# Allegro board GPS_INTERFACE_BOARDv36_PH.brd (continued)
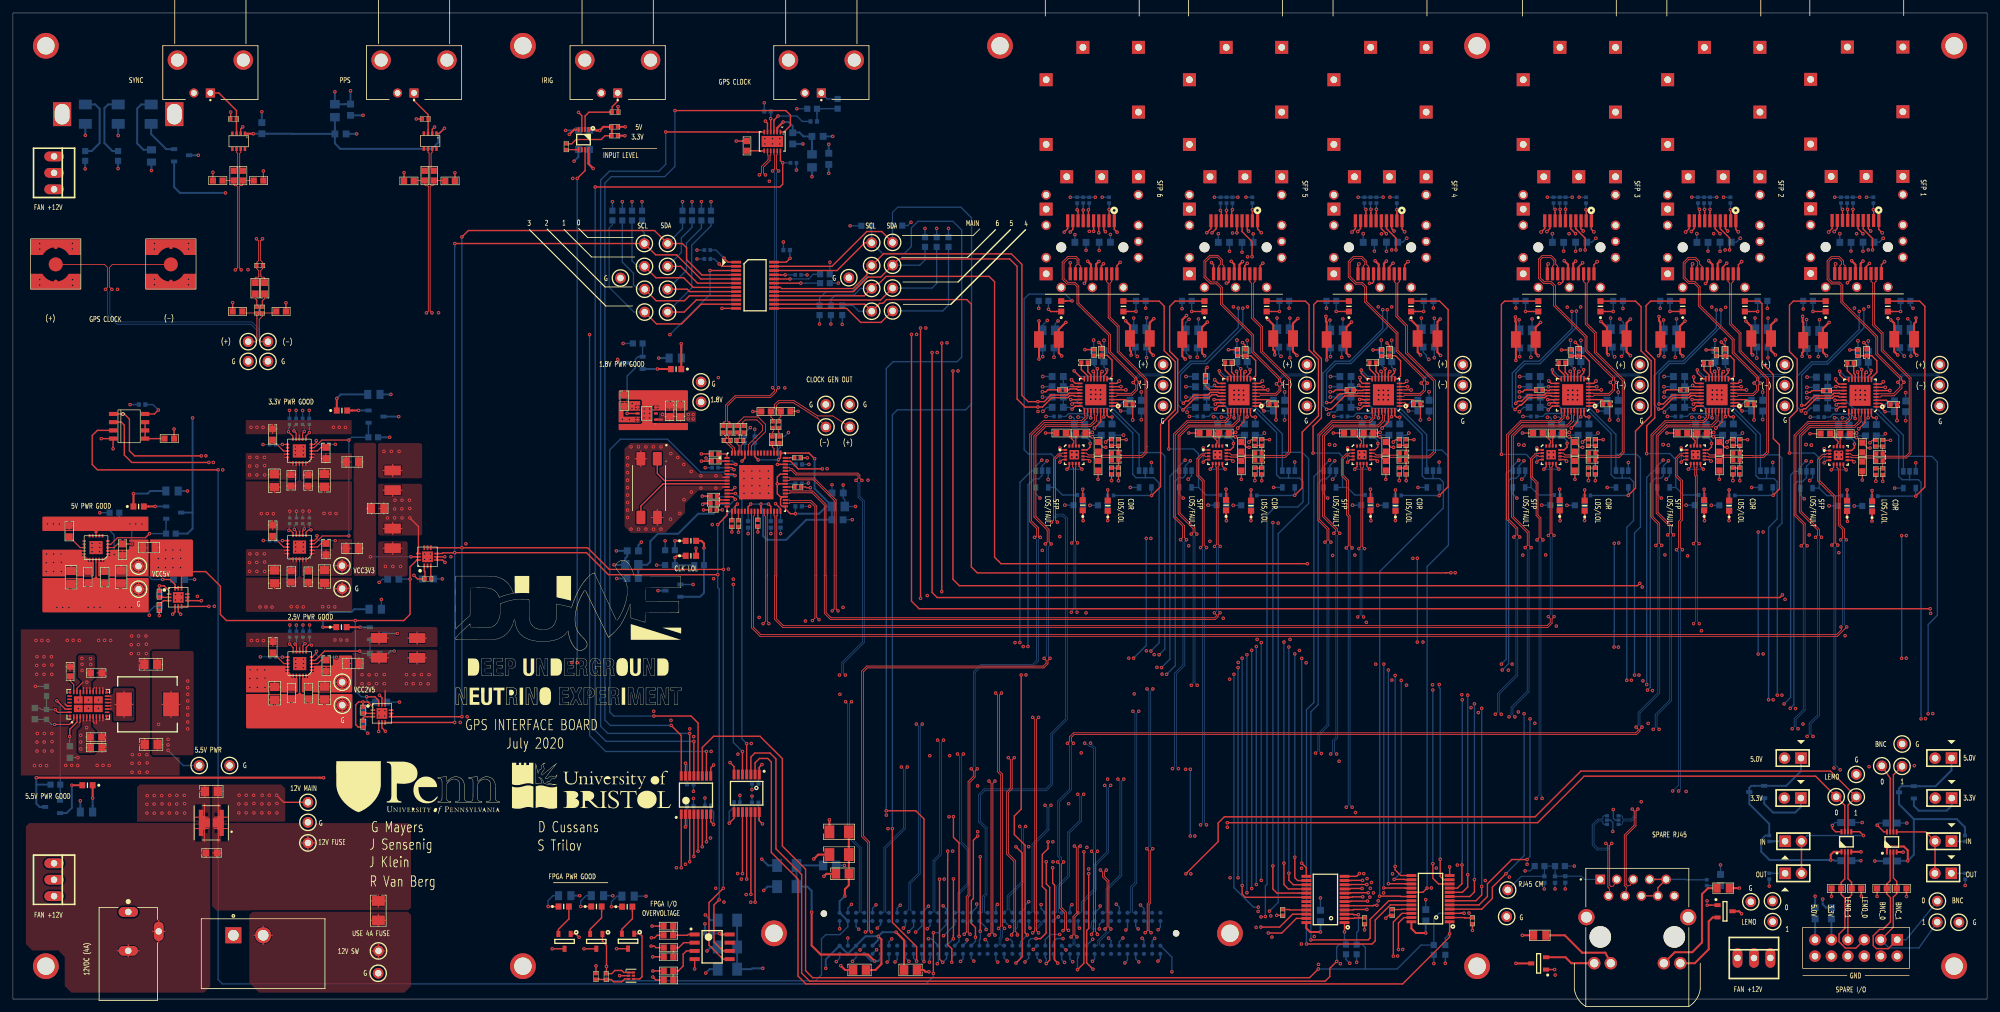
[diagram p0: board, top side]
## Routing (per net, layer and track width the routed paths; a pad name or vN(x,y) marks a point on that pad's centre or on a via; arc(x,y) is an arc through that point) (continued)
N224464: length 155.3
  TOP w0.203: U52.7 206.73,15.72 206.81,15.8 v1(208.41,15.8) ; J20.2 v1(191.37,121.99)
  SIG w0.203: v1(208.41,15.8) 207.54,14.94 190.68,14.94 189.15,16.46 v1(189.15,18.75) ; v1(177.34,51.23) v1(189.15,51.23) ; v1(191.37,121.99) 190.83,122.53 184.66,122.53 183.11,120.98 183.11,118.72 179.4,115.01 179.4,87.71 180.98,86.13 v1(180.98,83.28)
  BOTTOM w0.203: v1(180.98,83.28) 180.07,82.38 U40.1 179.48,81.66 178.64,80.82 178.64,52.53 v1(177.34,51.23) ; R208.2 191.36,122.52 191.37,122.51 v1(191.37,121.99) ; v1(189.15,18.75) v1(189.15,51.23)
N224468: length 150
  TOP w0.203: v1(186.44,121.89) 186.57,121.76 J20.8 ; U52.6 206.49,15.07 206.57,15.14 206.57,15.14 v1(209.14,15.14)
  SIG w0.203: v1(186.44,121.89) 184.96,121.89 183.72,120.65 183.72,118.41 179.93,114.63 179.93,88.11 181.79,86.26 v1(181.79,83.19) ; v1(209.14,15.14) 208.2,14.2 v1(192.28,14.2) ; v1(178.13,50.19) v1(188.52,50.19)
  BOTTOM w0.203: v1(181.79,83.19) 181.03,82.42 U40.2 181.03,80.92 180.67,80.57 179.96,80.57 179.46,80.07 179.46,51.52 v1(178.13,50.19) ; v1(192.28,14.2) 191.54,14.2 188.52,17.22 v1(188.52,50.19) ; R209.2 186.46,122.52 186.44,122.49 v1(186.44,121.89)
N224484: length 132.2
  TOP w0.203: v1(163.84,97.09) 165.08,95.85 U43.16 ; U52.8 206.51,16.37 206.58,16.43 v1(209.25,16.43)
  SIG w0.203: v1(190.53,16.43) v1(209.25,16.43) ; v1(176.96,53.21) v1(190.53,53.21)
  BOTTOM w0.203: v1(190.53,53.21) v1(190.53,16.43) ; 173.88,84.48 173.88,87.21 169.7,91.39 169.7,95.43 168.91,96.22 164.71,96.22 v1(163.84,97.09) ; 173.88,84.48 173.9,84.45 177.32,84.45 177.85,83.92 177.85,54.1 v1(176.96,53.21) ; 173.88,84.48 U45.1
N224488: length 124
  TOP w0.203: U52.9 206.49,17.02 206.57,17.09 v1(208.31,17.09) ; U43.22 v1(163.32,92.65)
  SIG w0.203: v1(191.26,53.9) 176.31,53.9 176.19,53.77 v1(175.69,53.77) ; v1(191.26,17.09) v1(208.31,17.09)
  BOTTOM w0.203: v1(191.26,53.9) v1(191.26,17.09) ; v1(175.69,53.77) 176.96,55.04 176.96,79.76 176.15,80.57 174.83,80.57 ; 174.83,80.57 173.41,80.57 172.9,81.08 172.9,87.5 169.14,91.26 165.4,91.26 164.02,92.65 v1(163.32,92.65) ; 174.83,80.57 U45.2
N224492: length 175.7
  TOP w0.203: v1(208.38,18.34) 206.62,18.34 206.6,18.32 U52.11 ; J21.2 v1(169.25,122.03)
  SIG w0.203: v1(192.74,18.34) v1(208.38,18.34) ; v1(155.47,55.09) 191.88,55.09 191.89,55.08 192.23,55.08 192.24,55.09 v1(192.74,55.09) ; v1(158.85,83.28) 158.85,85.7 156.29,88.27 156.29,114.22 160.96,118.9 160.96,121.69 162.1,122.83 168.45,122.83 v1(169.25,122.03)
  BOTTOM w0.203: v1(192.74,55.09) v1(192.74,18.34) ; v1(155.47,55.09) 155.47,79.86 157.28,81.66 U44.1 157.95,82.38 v1(158.85,83.28) ; R229.2 169.25,123.01 v1(169.25,122.03)
N224496: length 169.9
  TOP w0.203: v1(164.31,121.97) 164.45,121.83 J21.8 ; U52.10 206.57,17.67 206.61,17.7 v1(209.04,17.7)
  SIG w0.203: v1(159.66,83.19) 159.66,85.7 156.95,88.42 156.95,113.89 161.59,118.54 161.59,121.39 162.18,121.97 v1(164.31,121.97) ; v1(156.72,54.48) v1(191.97,54.48) ; v1(191.97,17.7) v1(209.04,17.7)
  BOTTOM w0.203: v1(191.97,54.48) v1(191.97,17.7) ; v1(164.31,121.97) R230.2 ; v1(156.72,54.48) 156.72,79.48 157.63,80.39 158.37,80.39 158.9,80.92 U44.2 158.9,82.42 v1(159.66,83.19)
N245271: length 3.5
  TOP w0.305: D5.2 20.94,76.12 20.95,76.13 v1(21.96,76.13)
  BOTTOM w0.305: Q4.2 v1(21.96,76.13)
N245311: length 7.2
  TOP w0.305: D5.1 v1(18.61,78.12)
  BOTTOM w0.305: v1(18.61,78.12) 20.82,78.12 21.21,78.51 R51.1
N245859: length 7.3
  TOP w0.305: D4.2 v1(9.09,33.05)
  BOTTOM w0.305: v1(9.09,33.05) 9.09,29.57 8.27,28.74 Q3.2
N245899: length 4.1
  TOP w0.305: D4.1 v1(12.31,31.05)
  BOTTOM w0.305: v1(12.31,31.05) 12.31,29.89 12.3,29.88 R44.1
N246142: length 3.3
  TOP w0.305: D6.2 52.33,90.96 52.34,90.97 v1(53.35,90.97)
  BOTTOM w0.305: Q5.2 v1(53.35,90.97)
N246182: length 6.9
  TOP w0.305: D6.1 v1(50,92.82)
  BOTTOM w0.305: v1(50,92.82) 50.62,93.45 R57.1
N266416: length 152.2
  TOP w0.203: v1(220.37,21.59) 220.37,18.94 220.87,18.44 U53.11 ; v1(265.18,122) 265.21,121.96 J14.2
  SIG w0.203: v1(265.18,122) 264.46,122.71 257.78,122.71 256.9,121.82 256.9,119.05 252.91,115.06 252.91,87.58 v1(254.79,85.7) v1(254.79,83.28) ; v1(252.25,48.62) v1(220.22,48.62)
  BOTTOM w0.203: v1(220.37,21.59) 220.37,47.97 220.22,48.12 v1(220.22,48.62) ; v1(254.79,83.28) 253.89,82.38 U28.1 253.3,81.66 252.25,80.61 v1(252.25,48.62) ; R145.2 v1(265.18,122)
N266420: length 149.1
  TOP w0.203: J14.8 260.41,121.54 260.4,121.55 v1(260.4,122.05) ; U53.10 220.1,17.79 219.23,18.67 v1(219.23,20.93)
  SIG w0.203: v1(252.37,47.75) v1(219.23,47.75) ; v1(260.4,122.05) 258.32,122.05 257.71,121.44 257.71,118.72 253.55,114.56 253.55,88.13 255.6,86.07 v1(255.6,85.6) v1(255.6,83.19)
  BOTTOM w0.203: v1(252.37,47.75) 252.81,48.18 252.81,79.68 253.62,80.49 254.48,80.49 254.84,80.85 U28.2 254.84,82.42 v1(255.6,83.19) ; R146.2 260.17,122.28 v1(260.4,122.05) ; v1(219.23,47.75) v1(219.23,20.93)
N267255: length 145
  TOP w0.203: U27.16 260.96,95.85 260.07,96.74 v1(260.07,97.23) ; v1(224.61,19.23) 224.61,17.32 223.78,16.49 U53.8
  SIG w0.203: v1(272.42,46.96) v1(224.61,46.96)
  BOTTOM w0.203: 269.8,84.07 269.8,87.25 265.63,91.41 265.63,95.43 264.85,96.22 261.09,96.22 v1(260.07,97.23) ; 269.8,84.07 269.82,84.1 272.62,84.1 273.13,83.59 273.13,73.53 272.42,72.82 v1(272.42,46.96) ; 269.8,84.07 269.81,84.06 U29.1 ; v1(224.61,46.96) v1(224.61,19.23)
N267259: length 136.9
  TOP w0.203: U27.22 v1(259.26,92.65) ; v1(223.72,20.73) 223.72,17.83 223.04,17.14 U53.9
  SIG w0.203: v1(271.07,46.25) v1(223.77,46.25)
  BOTTOM w0.203: v1(259.26,92.65) 259.91,92.65 261.29,91.26 265.13,91.26 269.11,87.27 269.11,80.9 269.57,80.44 270.76,80.44 ; v1(271.07,46.25) 271.07,72.87 272.39,74.19 272.39,79.98 271.93,80.44 270.76,80.44 ; v1(223.77,46.25) 223.77,21.27 223.72,21.22 v1(223.72,20.73) ; 270.76,80.44 U29.2
N280018: length 3.6
  TOP w0.305: v1(53.6,57.46) 52.27,57.46 52.25,57.48 D7.2
  BOTTOM w0.305: Q6.2 v1(53.6,57.46)
N280022: length 11.1
  TOP w0.305: D7.1 v1(47.85,57.48)
  BOTTOM w0.305: R62.1 52.7,60.25 52.27,59.82 48.97,59.82 47.85,58.7 v1(47.85,57.48)
N304882: length 5.1
  TOP w0.203: U6.2 9.88,42.81 8.76,41.69 v1(8.76,40.56)
  BOTTOM w0.203: C17.1 v1(8.76,40.56)
N322365: length 2.9
  TOP w0.17: v1(46.94,71.6) 46.94,71.26 46.53,70.85 U9.5
  BOTTOM w0.17: R70.1 47.22,70.84 46.94,71.12 v1(46.94,71.6)
N322369: length 2
  TOP w0.17: U9.7 44.75,72.43 v1(44.98,72.67)
  BOTTOM w0.17: v1(44.98,72.67) 44.98,73.21 R112.1
N322373: length 2
  TOP w0.17: v1(43.43,72.59) 43.75,72.28 U9.9
  BOTTOM w0.17: v1(43.43,72.59) 43.43,73.11 R113.1
N323562: length 2.7
  TOP w0.17: U11.5 46.51,85.71 46.84,86.04 v1(46.84,86.31)
  BOTTOM w0.17: v1(46.84,86.31) 46.84,85.86 46.97,85.72 R114.1
N323566: length 2.5
  TOP w0.17: v1(45.78,87.55) 45.22,87 U11.6
  BOTTOM w0.17: v1(45.78,87.55) 45.78,88.31 45.75,88.34 R115.1
N323570: length 2.5
  TOP w0.17: U11.7 44.72,87.44 v1(44.98,87.71)
  BOTTOM w0.17: v1(44.98,87.71) 44.98,88.58 R118.1
N323574: length 2.6
  TOP w0.17: U11.9 43.72,87.47 v1(43.38,87.81)
  BOTTOM w0.17: v1(43.38,87.81) 43.38,88.5 R255.1
N323578: length 2.7
  TOP w0.17: v1(42.54,87.68) 43.22,87 U11.10
  BOTTOM w0.17: R256.1 42.7,88.34 42.54,88.18 v1(42.54,87.68)
N323582: length 1.9
  TOP w0.17: U11.11 v1(41.59,85.71)
  BOTTOM w0.17: R257.1 41.02,85.7 41.03,85.71 v1(41.59,85.71)
N324301: length 98.4
  TOP w0.127: U1.9 117,130.51 116.9,130.41 116.9,129.57 115.87,128.55 115.87,127.69 v1(116.19,127.37) ; C4.1 38.86,111.44 38.73,111.56 38.41,111.56 38.28,111.69 38.28,112 38.25,112.02 38.25,112.57 38.55,112.87 R5.2 38.55,113.85 38.2,114.2 38.2,117.16 38.33,117.29 38.41,117.29 38.54,117.42 v1(38.54,117.49)
  SIG w0.127: v1(116.19,127.37) 115.8,126.98 115.8,120 114.11,118.31 38.66,118.31 38.28,117.93 38.28,117.75 v1(38.54,117.49)
N325169: length 3
  TOP w0.17: U12.6 45.27,54.34 45.65,54.71 v1(46.13,54.71)
  BOTTOM w0.165: v1(46.13,54.71) 45.82,55.02 45.82,55.43 45.8,55.45 R259.1
N325173: length 2.5
  TOP w0.17: U12.7 44.77,54.63 v1(45.09,54.94)
  BOTTOM w0.17: R260.1 44.78,55.24 v1(45.09,54.94)
N325177: length 2.5
  TOP w0.17: v1(43.56,54.86) 43.77,54.65 U12.9
  BOTTOM w0.17: v1(43.56,54.86) 43.77,55.08 43.77,55.44 43.76,55.45 R261.1
N325181: length 2.5
  TOP w0.17: v1(42.72,54.86) 43.27,54.31 U12.10
  BOTTOM w0.17: v1(42.72,54.86) 42.72,55.43 42.75,55.45 R262.1
N325185: length 1.9
  TOP w0.17: U12.11 v1(41.6,52.84)
  BOTTOM w0.17: R263.1 41.04,52.88 41.09,52.84 v1(41.6,52.84)
N325191: length 3
  TOP w0.17: v1(46.86,53.75) 46.86,53.51 46.19,52.84 U12.5
  BOTTOM w0.17: v1(46.86,53.75) 46.86,53.24 47.27,52.83 R258.1
N326883: length 1.6
  TOP w0.203: U48.15 109.63,76.63 109.63,76.63 C33.2
N326887: length 1.8
  TOP w0.165: 108.7,77.7 C32.2
  TOP w0.203: 108.7,77.7 109.27,77.13 U48.14
N326891: length 1.4
  TOP w0.165: U48.2 109.65,83.13 109.65,83.13 C31.2
N326895: length 1.8
  TOP w0.165: C30.2 110,84.25 110.26,83.99 U48.1
N334368: length 13.5
  TOP w0.203: U48.8 100.59,80.13 99.49,81.23 U14.1
N334392: length 9.7
  TOP w0.165: U14.4 99.49,75.65 ; U14.4 100.37,74.43 ; U14.4 98.62,74.43 ; U14.4 99.49,73.21 ; 96.08,83.51 U14.2 ; U14.2 97.83,83.51 ; U14.2 96.95,84.73 ; U14.2 96.95,82.29
  TOP w0.203: U48.10 109.56,79.13 ; U48.7 109.61,80.63
  vias: v1(94.89,83.67) v1(94.89,82.5) v1(94.89,81.36) v1(94.89,80.19) v1(94.89,79.04) v1(94.89,77.88) v1(94.89,76.73) v1(94.89,75.56) v1(94.89,74.42) v1(95.43,85.34) v1(95.43,72.62) v1(96.57,85.34) v1(96.6,72.62) v1(97.74,85.34) v1(97.74,72.62) v1(98.88,85.34) v1(98.91,72.62) v1(100.05,85.34) v1(100.05,72.62) v1(101.52,74.17) v1(101.57,84.3) v1(102.64,83.69) v1(102.97,75.06) v1(103.56,82.63) v1(103.61,77.19) v1(104.72,81.53) v1(104.75,78.36) v1(106.22,80.87) v1(106.22,78.97) v1(108.53,80.87) v1(108.53,78.97)
N339027: length 12.9
  TOP w0.305: v1(106.69,69.71) 106.69,70.42 106.3,70.82 D2.2
  BOTTOM w0.305: Q1.2 106.09,62.17 106.69,62.78 R32.1 v1(106.69,69.71)
N339674: length 5.9
  TOP w0.305: v1(102.21,68.22) 102.49,68.5 D1.1
  BOTTOM w0.305: R32.2 R33.1 102.21,67.07 v1(102.21,68.22)
N339693: length 3.1
  TOP w0.305: D2.1 v1(102.21,70.82)
  BOTTOM w0.305: v1(102.21,70.82) 102.21,70.13 102.2,70.12 R34.1
N350589: length 2.1
  BOTTOM w0.203: J15.1 300.41,19.43 300.41,19.42 R110.1
N350593: length 2.1
  BOTTOM w0.203: J16.1 300.43,24.38 300.45,24.37 R111.1
N352210: length 2.4
  BOTTOM w0.203: J11.1 271.72,19.43 271.7,19.45 R106.1
N352214: length 2.4
  BOTTOM w0.305: R107.1 271.7,24.37 271.72,24.38 J12.1
N437368: length 14.4
  TOP w0.203: J17.P7 253.62,18.49 J17.P9 253.97,17.22 J17.P8 J17.P6
  BOTTOM w0.203: R254.2 258.43,18.43 258.37,18.49 J17.P9
N437754: length 12.1
  TOP w0.305: J17.P12 245.86,7.16 242.29,7.16 239.6,9.86 R43.2
N437768: length 17.4
  TOP w0.305: R39.2 261.72,17.14 260.78,16.21 260.78,8.74 259.28,7.24 256.59,7.24 J17.P13
N575036: length 4.8
  TOP w0.203: U19.1 110.39,113.89 v1(109.78,114.5)
  BOTTOM w0.203: v1(109.78,114.5) 108.53,115.75 R93.1
N575058: length 4.5
  TOP w0.203: U19.2 109.42,113.24 v1(109.04,113.61)
  BOTTOM w0.203: R94.1 108.28,114.38 v1(109.04,113.61)
N575080: length 3.3
  TOP w0.203: U19.21 118.49,111.94 118.51,111.91 v1(119.23,111.91)
  BOTTOM w0.203: R95.1 v1(119.23,111.91)
N575210: length 7.4
  TOP w0.203: U19.20 v1(119.98,111.29)
  BOTTOM w0.203: v1(119.98,111.29) 122.84,111.29 123.57,112.01 R102.1
N575230: length 7.1
  TOP w0.203: U19.19 v1(121.64,110.64)
  BOTTOM w0.203: R103.1 122.41,110.64 122.41,110.64 v1(121.64,110.64)
N576735: length 5.6
  TOP w0.203: U17.8 111.33,27.92 v1(110.59,27.18)
  BOTTOM w0.203: v1(110.59,27.18) 110.59,28.96 111.34,29.7 R81.1
N576751: length 4.9
  TOP w0.203: v1(108.18,26.97) 107.74,27.42 U18.8
  BOTTOM w0.203: R82.1 107.74,29.39 108.18,28.95 v1(108.18,26.97)
N634677: length 6.1
  BOTTOM w0.305: D11.2 21.34,133.68 23.66,131.35 Q9.2
N634717: length 10.4
  BOTTOM w0.305: D11.1 19.81,138.25 19.18,137.62 19.18,132.23 20.16,131.25 R67.1
N635255: length 4.4
  TOP w0.305: D8.2 100.86,97.36 100.84,97.37 v1(99.51,97.37)
  BOTTOM w0.305: Q7.2 v1(99.51,97.37)
N635295: length 6.2
  TOP w0.305: D8.1 v1(103.19,101.28)
  BOTTOM w0.305: R37.1 103.21,100.04 103.19,100.06 v1(103.19,101.28)
N637994: length 4.9
  TOP w0.203: Q12.2 94.02,10.79 95.65,12.42 95.65,13.57 95.64,13.57 D15.2
N638034: length 4.4
  TOP w0.203: D15.1 v1(92.41,14.27)
  BOTTOM w0.203: R80.1 93.24,15.9 92.41,15.06 v1(92.41,14.27)
N638123: length 9.1
  TOP w0.203: Q12.1 96.45,10.09 96.47,10.11 96.77,10.11 97.13,9.75 97.13,3.45 96.78,3.11 U15.4
N638285: length 5.4
  TOP w0.203: U15.3 94.45,3.11 94.01,2.67 92.74,2.67 92.38,3.02 92.15,3.02 92.15,3.03 R78.2 90.57,3.03 90.55,3.06 R79.1
N638693: length 5
  TOP w0.203: Q11.2 89.12,10.78 90.88,12.55 90.88,13.58 90.89,13.6 D14.2
N638733: length 4.5
  TOP w0.203: D14.1 v1(87.66,14.3)
  BOTTOM w0.203: v1(87.66,14.3) 87.66,15.14 88.49,15.98 R74.1
N639616: length 16.5
  TOP w0.203: U48.9 100.38,79.63 96.95,76.2 U14.3
N665913: length 2.1
  BOTTOM w0.203: C123.2 262.9,17.52 262.89,17.53 R254.1
N716142: length 8.8
  BOTTOM w0.305: Q2.2 270.39,30.19 271.75,28.83 275.18,28.83 276.05,29.69 J9.1
N716972: length 8.8
  BOTTOM w0.305: Q13.2 293.5,29.86 294.26,29.11 298.58,29.11 299.34,29.87 J25.1

## Copper pours and planes (outline as drawn; the poured copper is in the pictures)
12V_CONN on PWR1: 34.98,24.51 44.15,24.51 44.5,24.16 44.5,2.01 43.46,0.97 34.39,0.97 34.39,1 9,1 8,2 8,6.5 7,7.5 3,7.5 2,8.5 2,23.49 3,24.49 34.96,24.49
12V_FUSE on TOP: 30.73,27.18 61.01,27.18 61.47,26.72 61.47,14.15 61.01,13.69 31.39,13.69 30.73,14.35
12V_SW on TOP: 36.99,13.5 60.98,13.5 61.48,13 61.48,2 60.48,1 37.99,1 36.49,2.5 36.49,13
12V_SW on PWR2: 1.52,131.88 10.26,131.88 10.59,131.55 10.59,17.68 11.4,16.87 272.14,16.87 272.67,16.33 272.67,2.26 272.06,1.65 1.83,1.65 1.17,2.31 1.17,131.52
GND_IN on TOP: 2.49,27.18 30.48,27.18 30.48,1.99 29.49,1 9,1 8,2 8,6.5 7,7.5 3,7.5 2,8.5 2,26.69
GND_POWER on TOP (solid shape): 98.68,89.32 98.71,89.31 98.73,89.27 98.73,89.1 98.81,89.03 104.19,89.03 104.22,89 104.22,87.99 104.17,87.93 93.6,87.93 93.52,88.01 93.52,88.88 96.95,88.88 97.15,89.08 97.15,89.32 98.67,89.32
GND_POWER on TOP (solid shape): 20.9,74.5 20.9,72.39 20.85,72.34 13.13,72.34 13.06,72.26 13.06,72.05 12.97,72.05 12.97,71.98 12.68,71.98 12.68,72.05 12.6,72.05 12.6,72.26 12.52,72.34 4.62,72.34 4.55,72.42 4.55,73.7 8.02,73.7 8.02,72.65 8.02,72.64 8.03,72.6 8.05,72.58 8.07,72.55 8.1,72.54 8.13,72.53 8.15,72.53 9.23,72.53 9.24,72.53 9.28,72.54 9.3,72.55 9.33,72.58 9.35,72.6 9.35,72.64 9.35,72.65 9.35,73.7 9.35,73.72 9.35,73.75 9.33,73.78 9.3,73.81 9.28,73.82 9.24,73.83 9.23,73.83 8.15,73.83 8.13,73.83 8.1,73.82 8.07,73.81 8.05,73.78 8.03,73.75 8.02,73.72 8.02,73.7 4.55,73.7 4.55,74.45 4.65,74.55 20.85,74.55
GND_POWER on TOP (solid shape): 104.22,93.95 104.22,91.08 104.09,90.96 98.91,90.96 98.85,90.92 98.83,90.92 98.82,90.92 98.8,90.94 98.8,91.1 98.82,91.12 98.84,91.14 98.86,91.15 98.89,91.16 99.57,91.15 99.58,91.15 99.62,91.16 99.64,91.17 99.67,91.2 99.68,91.23 99.69,91.26 99.69,91.28 99.69,91.63 99.69,91.64 99.68,91.67 99.67,91.7 99.64,91.73 99.62,91.74 99.58,91.75 99.57,91.75 98.97,91.75 98.95,91.75 98.92,91.74 98.89,91.73 98.87,91.71 98.85,91.68 98.83,91.66 98.8,91.65 98.77,91.65 98.74,91.66 98.71,91.67 98.68,91.68 98.67,91.68 97.1,91.68 97.1,92.3 100.73,92.3 100.73,91.25 100.73,91.23 100.74,91.2 100.76,91.17 100.78,91.15 100.81,91.13 100.84,91.12 100.86,91.12 101.94,91.12 101.95,91.12 101.99,91.13 102.01,91.15 102.04,91.17 102.06,91.2 102.06,91.23 102.06,91.25 102.06,92.3 102.41,92.3 102.41,91.25 102.41,91.23 102.41,91.2 102.43,91.17 102.46,91.15 102.48,91.13 102.52,91.12 102.53,91.12 103.61,91.12 103.63,91.12 103.66,91.13 103.69,91.15 103.71,91.17 103.73,91.2 103.74,91.23 103.74,91.25 103.74,92.3 103.74,92.31 103.73,92.35 103.71,92.37 103.69,92.4 103.66,92.41 103.63,92.42 103.61,92.42 102.53,92.42 102.52,92.42 102.48,92.41 102.46,92.4 102.43,92.37 102.41,92.35 102.41,92.31 102.41,92.3 102.06,92.3 102.06,92.31 102.06,92.35 102.04,92.37 102.01,92.4 101.99,92.41 101.95,92.42 101.94,92.42 100.86,92.42 100.84,92.42 100.81,92.41 100.78,92.4 100.76,92.37 100.74,92.35 100.73,92.31 100.73,92.3 97.1,92.3 97.1,92.46 96.9,92.66 95.15,92.66 95.13,92.66 95.11,92.66 95.08,92.68 95.06,92.7 95.05,92.73 95.05,92.76 95.05,93.85 95.05,93.87 95.04,93.9 95.02,93.93 95,93.95 94.97,93.97 94.93,93.98 94.92,93.98 93.84,93.97 93.82,93.97 93.79,93.96 93.76,93.94 93.74,93.92 93.72,93.89 93.71,93.86 93.71,93.84 93.72,92.79 93.72,92.76 93.72,92.73 93.7,92.7 93.69,92.68 93.66,92.66 93.63,92.66 93.52,92.66 93.52,93.98 93.62,94.08 104.09,94.08
GND_POWER on TOP (solid shape): 12.91,65.3 13.03,65.18 13.03,65.15 13.11,65.07 13.43,65.07 13.45,65.07 13.48,65.07 13.5,65.05 13.52,65.02 13.53,65 13.54,64.97 13.53,64.94 13.51,64.91 13.51,64.88 13.51,64.86 13.51,63.81 13.51,63.79 13.51,63.76 13.53,63.73 13.56,63.71 13.58,63.69 13.62,63.68 13.63,63.68 14.71,63.68 14.73,63.68 14.76,63.69 14.79,63.71 14.81,63.73 14.83,63.76 14.84,63.79 14.84,63.81 14.84,64.86 14.84,64.88 14.83,64.91 14.82,64.94 14.81,64.97 14.81,65 14.83,65.02 14.84,65.05 14.87,65.07 14.9,65.07 14.91,65.07 15.73,65.07 15.74,65.07 15.77,65.07 15.8,65.05 15.82,65.03 15.83,65 15.83,64.97 15.83,64.94 15.81,64.88 15.81,63.58 15.81,63.56 15.82,63.53 15.84,63.5 15.86,63.48 15.89,63.46 15.92,63.45 15.94,63.45 17.44,63.45 17.45,63.45 17.49,63.46 17.52,63.48 17.54,63.5 17.56,63.53 17.56,63.56 17.57,63.58 17.57,64.88 17.55,64.94 17.54,64.97 17.55,65 17.56,65.03 17.58,65.05 17.6,65.07 17.63,65.07 17.65,65.07 20.83,65.07 20.95,64.95 20.95,59.89 20.83,59.77 4.7,59.77 4.55,59.92 4.55,63.35 18.45,63.35 18.46,63.26 18.47,63.17 18.49,63.09 18.52,63.01 18.55,62.93 18.59,62.85 18.64,62.78 18.69,62.71 18.76,62.65 18.82,62.59 18.89,62.54 18.97,62.5 19.05,62.47 19.13,62.44 19.21,62.41 19.3,62.4 19.38,62.39 19.47,62.4 19.56,62.41 19.64,62.42 19.72,62.45 19.81,62.48 19.88,62.52 19.96,62.57 20.02,62.62 20.09,62.68 20.14,62.75 20.2,62.82 20.24,62.89 20.28,62.97 20.31,63.05 20.33,63.13 20.35,63.22 20.36,63.3 20.36,63.39 20.35,63.48 20.33,63.56 20.31,63.65 20.28,63.73 20.24,63.81 20.2,63.88 20.14,63.95 20.09,64.01 20.02,64.07 19.96,64.13 19.88,64.17 19.81,64.21 19.72,64.25 19.64,64.27 19.56,64.29 19.47,64.3 19.38,64.3 19.3,64.29 19.21,64.28 19.13,64.26 19.05,64.23 18.97,64.19 18.89,64.15 18.82,64.1 18.76,64.04 18.69,63.98 18.64,63.91 18.59,63.84 18.55,63.77 18.52,63.69 18.49,63.6 18.47,63.52 18.46,63.43 18.45,63.35 4.55,63.35 4.55,64.83 8.09,64.83 8.09,63.53 8.09,63.51 8.1,63.48 8.11,63.45 8.14,63.42 8.17,63.41 8.2,63.4 8.22,63.4 9.72,63.4 9.73,63.4 9.77,63.41 9.79,63.42 9.82,63.45 9.83,63.48 9.84,63.51 9.84,63.53 9.84,64.83 9.84,64.84 9.83,64.88 9.82,64.9 9.79,64.93 9.77,64.94 9.73,64.95 9.72,64.95 8.22,64.95 8.2,64.95 8.17,64.94 8.14,64.93 8.11,64.9 8.1,64.88 8.09,64.84 8.09,64.83 4.55,64.83 4.55,65.02 4.6,65.07 10.8,65.07 10.85,65.07 10.87,65.05 10.89,65.03 10.9,65 10.91,64.98 10.89,64.89 10.89,63.84 10.89,63.82 10.9,63.79 10.92,63.76 10.94,63.74 10.97,63.72 11,63.71 11.02,63.71 12.1,63.71 12.11,63.71 12.15,63.72 12.17,63.74 12.2,63.76 12.22,63.79 12.22,63.82 12.22,63.84 12.22,64.89 12.21,64.98 12.21,65 12.22,65.03 12.24,65.05 12.27,65.07 12.5,65.07 12.52,65.08 12.75,65.3 12.75,67.57 12.91,67.57
GND_POWER on TOP (solid shape): 44.35,47.37 44.48,47.25 44.48,47.22 44.55,47.14 44.88,47.14 44.89,47.14 44.92,47.13 44.95,47.12 44.97,47.09 44.98,47.06 44.98,47.03 44.97,47 44.96,46.98 44.95,46.95 44.95,46.93 44.95,45.88 44.95,45.86 44.96,45.83 44.98,45.8 45,45.78 45.03,45.76 45.06,45.75 45.08,45.75 46.16,45.75 46.18,45.75 46.21,45.76 46.24,45.78 46.26,45.8 46.28,45.83 46.29,45.86 46.29,45.88 46.29,46.93 46.29,46.95 46.28,46.98 46.26,47 46.26,47.03 46.26,47.06 46.27,47.09 46.29,47.12 46.31,47.13 46.34,47.14 46.36,47.14 47.18,47.14 47.19,47.14 47.22,47.13 47.24,47.12 47.26,47.1 47.27,47.07 47.28,47.04 47.27,47.01 47.26,46.94 47.26,45.64 47.26,45.63 47.26,45.6 47.28,45.57 47.31,45.54 47.33,45.53 47.37,45.52 47.38,45.52 48.88,45.52 48.9,45.52 48.93,45.53 48.96,45.54 48.98,45.57 49,45.6 49.01,45.63 49.01,45.64 49.01,46.94 48.99,47.01 48.99,47.04 48.99,47.07 49,47.1 49.02,47.12 49.05,47.13 49.08,47.14 49.09,47.14 52.27,47.14 52.4,47.02 52.4,41.96 52.27,41.83 36.14,41.83 35.99,41.99 35.99,45.42 49.9,45.42 49.9,45.33 49.91,45.24 49.93,45.16 49.96,45.08 49.99,45 50.04,44.92 50.08,44.85 50.14,44.78 50.2,44.72 50.27,44.66 50.34,44.61 50.41,44.57 50.49,44.53 50.57,44.5 50.66,44.48 50.74,44.47 50.83,44.46 50.92,44.46 51,44.47 51.09,44.49 51.17,44.52 51.25,44.55 51.33,44.59 51.4,44.64 51.47,44.69 51.53,44.75 51.59,44.81 51.64,44.88 51.69,44.96 51.72,45.04 51.76,45.12 51.78,45.2 51.79,45.29 51.8,45.37 51.8,45.46 51.79,45.54 51.78,45.63 51.76,45.71 51.72,45.79 51.69,45.87 51.64,45.95 51.59,46.02 51.53,46.08 51.47,46.14 51.4,46.19 51.33,46.24 51.25,46.28 51.17,46.31 51.09,46.34 51,46.36 50.92,46.37 50.83,46.37 50.74,46.36 50.66,46.35 50.57,46.33 50.49,46.3 50.41,46.26 50.34,46.22 50.27,46.17 50.2,46.11 50.14,46.05 50.08,45.98 50.04,45.91 49.99,45.83 49.96,45.75 49.93,45.67 49.91,45.59 49.9,45.5 49.9,45.42 35.99,45.42 35.99,46.89 39.53,46.89 39.53,45.59 39.53,45.58 39.54,45.55 39.56,45.52 39.58,45.49 39.61,45.48 39.64,45.47 39.66,45.47 41.16,45.47 41.18,45.47 41.21,45.48 41.24,45.49 41.26,45.52 41.28,45.55 41.29,45.58 41.29,45.59 41.29,46.89 41.29,46.91 41.28,46.94 41.26,46.97 41.24,47 41.21,47.01 41.18,47.02 41.16,47.02 39.66,47.02 39.64,47.02 39.61,47.01 39.58,47 39.56,46.97 39.54,46.94 39.53,46.91 39.53,46.89 35.99,46.89 35.99,47.09 36.04,47.14 42.25,47.14 42.29,47.13 42.32,47.12 42.33,47.1 42.35,47.07 42.35,47.04 42.33,46.95 42.33,45.9 42.34,45.89 42.34,45.86 42.36,45.83 42.38,45.8 42.41,45.79 42.45,45.78 42.46,45.78 43.54,45.78 43.56,45.78 43.59,45.79 43.62,45.8 43.64,45.83 43.66,45.86 43.67,45.89 43.67,45.9 43.67,46.95 43.65,47.04 43.66,47.07 43.67,47.1 43.69,47.12 43.71,47.13 43.94,47.14 43.97,47.15 44.19,47.37 44.19,49.64 44.35,49.64
GND_POWER on TOP: 1.22,34.54 25.76,34.54 25.76,57.15 1.22,57.15
GND_POWER on TOP: 43.99,87.2 43.99,86.21 44.04,86.16 44.4,86.16 44.45,86.21 44.45,87.2 44.53,87.27 52.25,87.27 52.3,87.33 52.3,89.43 52.25,89.48 36.04,89.48 35.94,89.38 35.94,87.35 36.02,87.27 43.92,87.27
GND_POWER on TOP: 53.19,57.51 65.3,57.51 65.53,57.28 65.53,54.53 65.41,54.41 44.58,54.41 44.5,54.33 44.5,53.34 44.45,53.29 44.09,53.29 44.04,53.34 44.04,54.33 43.97,54.41 36.07,54.41 35.99,54.48 35.99,56.52 36.09,56.62 52.3,56.62
GND_POWER on TOP: 43.21,85.72 45.24,85.72 45.24,83.69 44.42,83.69 44.42,80.09 44.5,80.01 52.22,80.01 52.35,79.88 52.35,72.49 52.27,72.42 44.55,72.42 44.48,72.34 44.48,71.35 44.42,71.3 44.07,71.3 44.02,71.35 44.02,72.34 43.94,72.42 36.04,72.42 35.97,72.49 35.97,72.52 35.94,72.54 35.94,79.96 35.99,80.01 43.89,80.01 43.97,80.09 43.97,83.69 43.21,83.69
GND_POWER on TOP: 19.56,33.15 30.48,33.15 30.48,27.41 19.15,27.41 19.15,32.74
GND_POWER on TOP: 56.57,70.74 60.73,70.74 60.93,70.54 60.93,65.53 60.71,65.3 56.64,65.3 56.39,65.56 56.39,70.56
GND_POWER on TOP: 43.23,70.87 45.26,70.87 45.26,68.83 44.45,68.83 44.45,65.23 44.53,65.15 52.25,65.15 52.37,65.02 52.37,59.97 52.25,59.84 36.12,59.84 35.97,59.99 35.97,65.1 36.02,65.15 43.92,65.15 43.99,65.23 43.99,68.83 43.23,68.83
GND_POWER on TOP: 56.36,80.75 56.36,85.75 56.54,85.93 62.92,85.93 63.17,85.67 63.17,80.64 63.02,80.49 56.62,80.49
GND_POWER on GND1: 1.85,150.47 302.92,150.47 302.92,2 1.85,2
GND_POWER on GND2: 302.92,1.98 1.98,1.98 1.98,150.47 302.92,150.47 ; 1 cut-out
GND_POWER on GND3: 2,150.47 302.92,150.47 302.92,2 2,2 ; 1 cut-out
VCC2V5 on TOP: 52.78,54 65.35,54 65.53,53.82 65.53,47.52 65.38,47.37 52.6,47.37 52.45,47.52 52.45,53.67
VCC2V5 on PWR2: 32.26,129.18 155.02,129.18 155.5,128.7 155.5,98.83 155.91,98.42 293.67,98.42 293.67,48.49 293.24,48.06 267.03,48.06 266.75,47.78 266.75,29.97 267.16,29.57 293.55,29.57 293.67,29.44 293.67,18.14 293.5,17.96 12.65,17.96 11.56,19.05 11.56,59.56 31.57,59.56 31.88,59.87 31.88,128.8 ; 1 cut-out
VCC3V3 on TOP (solid shape): 96.85,92.35 96.85,91.75 96.77,91.75 96.17,91.75 96.08,91.72 96.04,91.63 96.04,91.28 96.08,91.19 96.17,91.15 96.77,91.15 96.85,91.15 96.85,90.96 96.82,90.93 95.16,90.93 95.08,90.97 95.06,91.05 95.06,91.07 95.06,92.12 95.02,92.21 94.93,92.25 93.85,92.24 93.76,92.2 93.72,92.11 93.73,91.06 93.76,90.97 93.85,90.94 94.26,90.94 94.26,90.02 94.28,89.99 96.82,89.99 96.87,89.95 96.87,89.85 96.81,89.85 96.77,89.85 96.17,89.85 96.08,89.82 96.04,89.73 96.04,89.38 96.08,89.29 96.17,89.25 96.77,89.25 96.8,89.25 96.84,89.27 96.9,89.27 96.9,89.18 96.85,89.13 93.57,89.13 93.52,89.18 93.52,92.35 93.57,92.41 96.8,92.41
VCC3V3 on TOP: 56.46,79.65 62.94,79.65 63.17,79.43 63.17,71.83 62.99,71.65 56.64,71.65 56.39,71.91 56.39,79.58
VCC3V3 on PWR1: 45.52,88.54 1.57,88.54 1.22,88.9 1.22,149.78 2.41,150.98 302.49,150.98 303.1,150.37 303.1,2.03 302.59,1.52 46.38,1.52 45.85,2.06 45.85,88.21 ; 1 cut-out
VCC5V on TOP (solid shape): 27.79,70.87 27.79,65.41 27.69,65.3 21.18,65.3 21.18,68.88 21.23,68.97 21.34,68.97 21.37,68.95 21.41,68.95 22.51,68.95 22.6,68.98 22.63,69.07 22.63,70.47 22.6,70.56 22.51,70.6 21.41,70.6 21.37,70.6 21.34,70.58 21.23,70.58 21.18,70.67 21.18,71.02 27.64,71.02
VCC5V on PWR2: 147.83,150.9 147.96,151.03 148.01,150.98 300.51,150.98 300.53,151 302.49,151 303.15,150.34 303.15,2.51 302.34,1.7 274.12,1.7 273.41,2.41 273.41,16.66 273.99,17.25 293.8,17.25 294.34,17.78 294.34,29.46 293.8,30 268.3,30 267.49,30.81 267.49,46.89 268.05,47.45 293.4,47.45 293.42,47.42 294.89,47.42 295.4,47.93 295.4,119.3 157.12,119.3 156.84,119.58 156.84,128.78 155.98,129.64 31.67,129.64 31.62,129.69 31.29,129.36 31.29,60.12 30.96,59.79 11.66,59.79 11.66,131.85 11.1,132.41 1.22,132.41 1.22,150.47 1.65,150.9
VCCR_SFP INTERFACE_SFP1 on PWR2: 275.11,118.75 284.45,118.75 284.66,118.54 284.66,98.83 284.48,98.65 275.11,98.65 274.9,98.86 274.9,118.54
VCCR_SFP INTERFACE_SFP2 on PWR2: 252.98,118.75 262.33,118.75 262.53,118.54 262.53,98.86 262.36,98.68 252.98,98.68 252.78,98.88 252.78,118.54
VCCR_SFP INTERFACE_SFP3 on PWR2: 230.68,118.72 240.03,118.72 240.23,118.52 240.23,98.86 240.06,98.68 230.68,98.68 230.48,98.88 230.48,118.52
VCCR_SFP INTERFACE_SFP4 on PWR2: 201.5,118.72 210.85,118.72 211.05,118.52 211.05,98.88 210.87,98.7 201.5,98.7 201.29,98.91 201.29,118.52
VCCR_SFP INTERFACE_SFP5 on PWR2: 179.25,118.72 188.59,118.72 188.8,118.52 188.8,113.84 188.82,113.82 188.82,98.88 188.65,98.7 179.27,98.7 179.07,98.91 179.07,113.64 179.04,113.67 179.04,118.52
VCCR_SFP INTERFACE_SFP6 on PWR2: 157.05,118.72 166.4,118.72 166.6,118.52 166.6,98.86 166.42,98.68 157.05,98.68 156.84,98.88 156.84,118.52
VCCT_SFP INTERFACE_SFP1 on PWR2: 285.04,118.75 294.39,118.75 294.59,118.54 294.59,98.83 294.41,98.65 285.04,98.65 284.84,98.86 284.84,118.54
VCCT_SFP INTERFACE_SFP2 on PWR2: 262.99,118.75 272.34,118.75 272.54,118.54 272.54,98.86 272.36,98.68 262.99,98.68 262.79,98.88 262.79,118.54
VCCT_SFP INTERFACE_SFP3 on PWR2: 240.69,118.69 250.04,118.69 250.24,118.49 250.24,98.86 250.06,98.68 240.69,98.68 240.49,98.88 240.49,118.49
VCCT_SFP INTERFACE_SFP4 on PWR2: 211.51,118.72 220.85,118.72 221.06,118.52 221.06,98.88 220.88,98.7 211.51,98.7 211.3,98.91 211.3,118.52
VCCT_SFP INTERFACE_SFP5 on PWR2: 189.26,118.72 198.6,118.72 198.81,118.52 198.81,98.88 198.63,98.7 189.26,98.7 189.05,98.91 189.05,118.52
VCCT_SFP INTERFACE_SFP6 on PWR2: 167.06,118.72 176.4,118.72 176.61,118.52 176.61,98.86 176.43,98.68 167.06,98.68 166.85,98.88 166.85,118.52
VDD_FILT on TOP: 99.77,90.86 105.41,90.86 105.49,90.78 105.49,89.26 105.36,89.13 98.91,89.13 98.86,89.18 98.86,89.81 98.91,89.87 99.72,89.87 99.72,90.81
VDD_FILT on PWR2: 97.21,94.39 109.09,94.39 109.42,94.06 109.42,85.78 109.8,85.39 119.63,85.39 119.84,85.19 119.84,74.45 119.61,74.22 104.24,74.22 104.04,74.42 104.04,76.45 105.94,78.36 109.52,78.36 109.8,78.64 111.38,78.64 111.56,78.82 111.56,80.77 111.2,81.13 109.86,81.13 109.47,81.51 105.89,81.51 101.24,86.16 96.93,86.16 96.93,94.11
(no net) on TOP: 43.26,52.86 45.29,52.86 45.29,50.83 44.48,50.83 44.48,47.22 44.55,47.14 52.27,47.14 52.4,47.02 52.4,41.96 52.27,41.83 36.14,41.83 35.99,41.99 35.99,47.09 36.04,47.14 43.94,47.14 44.02,47.22 44.02,50.83 43.26,50.83
(no net) on TOP: 21.01,70.87 21.01,65.46 21.16,65.3 27.69,65.3 27.79,65.41 27.79,70.87 27.64,71.02 21.16,71.02
(no net) on TOP: 4.6,69.44 11.23,69.44 11.28,69.39 11.28,68.3 11.35,68.22 12.47,68.22 12.5,68.2 12.5,65.41 12.42,65.33 4.6,65.33 4.55,65.38 4.55,69.39
(no net) on TOP: 49.48,53.09 52.27,53.09 52.37,52.98 52.37,47.52 52.25,47.4 44.68,47.4 44.6,47.47 44.6,50.27 44.63,50.29 45.8,50.29 45.82,50.32 45.82,51.49 45.85,51.51 49.25,51.51 49.4,51.66 49.4,53.01
(no net) on TOP: 11.81,70.79 13.84,70.79 13.84,68.76 13.03,68.76 13.03,65.15 13.11,65.07 20.83,65.07 20.95,64.95 20.95,59.89 20.83,59.77 4.7,59.77 4.55,59.92 4.55,65.02 4.6,65.07 12.5,65.07 12.57,65.15 12.57,68.76 11.81,68.76
(no net) on TOP: 104.17,87.93 93.6,87.93 93.52,88.01 93.52,88.98 93.57,89.03 96.93,89.03 96.98,89.08 96.98,92.51 96.9,92.58 93.52,92.58 93.52,93.98 93.62,94.08 104.09,94.08 104.22,93.95 104.22,91.08 104.09,90.96 98.91,90.96 98.86,90.91 98.86,89.99 98.88,89.97 98.78,89.97 98.73,89.92 98.73,89.1 98.81,89.03 104.19,89.03 104.22,89 104.22,87.99
(no net) on TOP: 18.03,71.02 20.83,71.02 20.93,70.92 20.93,65.46 20.8,65.33 13.23,65.33 13.16,65.41 13.16,68.2 13.18,68.22 14.35,68.22 14.38,68.25 14.38,69.42 14.4,69.44 17.81,69.44 17.96,69.6 17.96,70.94
(no net) on TOP: 12.6,72.26 12.6,71.27 12.65,71.22 13,71.22 13.06,71.27 13.06,72.26 13.13,72.34 20.85,72.34 20.9,72.39 20.9,74.5 20.85,74.55 4.65,74.55 4.55,74.45 4.55,72.42 4.62,72.34 12.52,72.34
(no net) on TOP: 96.85,89.13 93.57,89.13 93.52,89.18 93.52,92.35 93.57,92.41 96.8,92.41 96.85,92.35 96.85,90.96 96.82,90.93 94.28,90.93 94.26,90.91 94.26,90.02 94.28,89.99 96.82,89.99 96.9,89.92 96.9,89.18
(no net) on TOP: 36.04,51.51 42.67,51.51 42.72,51.46 42.72,50.37 42.8,50.29 43.92,50.29 43.94,50.27 43.94,47.47 43.87,47.4 36.04,47.4 35.99,47.45 35.99,51.46
VP2V5 on TOP (solid shape): 49.59,53.02 49.57,52.98 49.55,52.92 49.54,52.86 49.54,52.8 49.55,52.75 49.57,52.69 49.59,52.64 49.62,52.6 49.66,52.55 49.7,52.52 49.75,52.49 49.8,52.46 49.85,52.45 49.91,52.44 49.96,52.44 50.02,52.45 50.07,52.46 50.13,52.49 50.17,52.52 50.22,52.55 50.23,52.57 50.82,52.57 50.82,51.17 50.82,51.15 50.83,51.12 50.85,51.09 50.87,51.07 50.9,51.05 50.93,51.04 50.95,51.04 52.05,51.04 52.07,51.04 52.1,51.05 52.13,51.07 52.15,51.09 52.17,51.12 52.18,51.15 52.18,51.17 52.18,52.57 52.18,52.58 52.17,52.62 52.15,52.64 52.13,52.67 52.1,52.69 52.07,52.69 52.05,52.69 50.95,52.69 50.93,52.69 50.9,52.69 50.87,52.67 50.85,52.64 50.83,52.62 50.82,52.58 50.82,52.57 50.23,52.57 50.25,52.6 50.28,52.64 50.31,52.69 50.32,52.75 50.33,52.8 50.33,52.86 50.32,52.92 50.31,52.99 50.31,53.02 50.33,53.04 50.34,53.06 50.37,53.08 50.41,53.09 52.27,53.09 52.37,52.98 52.37,47.52 52.25,47.4 46.36,47.4 46.34,47.4 46.31,47.41 46.29,47.42 46.27,47.45 46.26,47.47 46.26,47.5 46.26,47.53 46.28,47.56 46.29,47.59 46.29,47.61 46.29,48.66 46.29,48.68 46.28,48.71 46.26,48.74 46.24,48.76 46.21,48.78 46.18,48.79 46.16,48.79 45.08,48.79 45.06,48.79 45.03,48.78 45,48.76 44.98,48.74 44.96,48.71 44.95,48.68 44.95,48.66 44.95,47.61 44.95,47.59 44.96,47.56 44.97,47.53 44.98,47.5 44.98,47.47 44.97,47.45 44.95,47.42 44.92,47.41 44.89,47.4 44.88,47.4 44.68,47.4 44.6,47.47 44.6,48.94 47.26,48.94 47.26,47.64 47.26,47.63 47.26,47.6 47.28,47.57 47.31,47.54 47.33,47.53 47.37,47.52 47.38,47.52 48.88,47.52 48.9,47.52 48.93,47.53 48.96,47.54 48.98,47.57 49,47.6 49.01,47.63 49.01,47.64 49.01,48.94 49.01,48.97 49.87,48.97 49.88,48.88 49.89,48.8 49.91,48.71 49.93,48.63 49.97,48.55 50.01,48.48 50.06,48.4 50.11,48.34 50.17,48.27 50.24,48.22 50.31,48.17 50.39,48.13 50.47,48.09 50.55,48.06 50.63,48.04 50.72,48.02 50.8,48.02 50.89,48.02 50.98,48.03 51.06,48.05 51.14,48.07 51.22,48.11 51.3,48.15 51.37,48.19 51.44,48.25 51.51,48.31 51.56,48.37 51.62,48.44 51.66,48.51 51.7,48.59 51.73,48.67 51.75,48.76 51.77,48.84 51.78,48.93 51.78,49.01 51.77,49.1 51.75,49.19 51.73,49.27 51.7,49.35 51.66,49.43 51.62,49.5 51.56,49.57 51.51,49.64 51.44,49.7 51.37,49.75 51.3,49.8 51.22,49.84 51.14,49.87 51.06,49.89 50.98,49.91 50.89,49.92 50.8,49.92 50.72,49.92 50.63,49.9 50.55,49.88 50.47,49.85 50.39,49.82 50.31,49.77 50.24,49.72 50.17,49.67 50.11,49.61 50.06,49.54 50.01,49.47 49.97,49.39 49.93,49.31 49.91,49.23 49.89,49.14 49.88,49.06 49.87,48.97 49.01,48.97 49,48.99 48.98,49.02 48.96,49.05 48.93,49.06 48.9,49.07 48.88,49.07 47.38,49.07 47.37,49.07 47.33,49.06 47.31,49.05 47.28,49.02 47.26,48.99 47.26,48.96 47.26,48.94 44.6,48.94 44.6,49.57 44.62,49.57 44.62,49.64 45.55,49.64 45.56,50.23 45.57,50.25 45.59,50.27 45.61,50.28 45.8,50.29 45.82,50.32 45.83,50.5 45.84,50.52 45.86,50.54 45.89,50.56 46.47,50.56 46.47,51.2 47.69,51.2 47.69,50.15 47.69,50.13 47.7,50.1 47.72,50.07 47.74,50.04 47.77,50.03 47.8,50.02 47.82,50.02 48.9,50.02 48.92,50.02 48.95,50.03 48.98,50.05 49,50.07 49.02,50.1 49.03,50.13 49.03,50.15 49.03,51.2 49.03,51.21 49.02,51.25 49,51.27 48.98,51.3 48.95,51.31 48.92,51.32 48.9,51.32 47.82,51.32 47.8,51.32 47.77,51.31 47.74,51.3 47.72,51.27 47.7,51.25 47.69,51.21 47.69,51.2 46.47,51.2 46.47,51.49 46.55,51.49 46.55,51.51 49.25,51.51 49.4,51.66 49.4,53.01 49.48,53.09 49.59,53.09
VP3V3 on TOP: 52.83,85.95 55.88,85.95 56.08,85.75 56.08,65.63 55.85,65.41 52.81,65.41 52.6,65.61 52.6,70.89 52.58,70.92 52.58,80.57 52.6,80.59 52.6,85.72
VP5V on TOP (solid shape): 20.93,70.92 20.93,65.46 20.8,65.33 14.91,65.33 14.9,65.33 14.87,65.34 14.84,65.36 14.83,65.38 14.81,65.41 14.81,65.44 14.82,65.47 14.83,65.49 14.84,65.53 14.84,65.54 14.84,66.59 14.84,66.61 14.83,66.64 14.81,66.67 14.79,66.69 14.76,66.71 14.73,66.72 14.71,66.72 13.63,66.72 13.62,66.72 13.58,66.71 13.56,66.69 13.53,66.67 13.51,66.64 13.51,66.61 13.51,66.59 13.51,65.54 13.51,65.53 13.51,65.49 13.53,65.47 13.54,65.44 13.53,65.41 13.52,65.38 13.5,65.36 13.48,65.34 13.45,65.33 13.43,65.33 13.23,65.33 13.16,65.41 13.16,66.88 15.81,66.88 15.81,65.58 15.81,65.56 15.82,65.53 15.84,65.5 15.86,65.48 15.89,65.46 15.92,65.45 15.94,65.45 17.44,65.45 17.45,65.45 17.49,65.46 17.52,65.48 17.54,65.5 17.56,65.53 17.56,65.56 17.57,65.58 17.57,66.88 17.56,66.9 18.43,66.9 18.43,66.82 18.44,66.73 18.46,66.65 18.49,66.56 18.52,66.48 18.57,66.41 18.61,66.34 18.67,66.27 18.73,66.21 18.8,66.15 18.87,66.1 18.94,66.06 19.02,66.02 19.1,65.99 19.19,65.97 19.27,65.96 19.36,65.95 19.45,65.95 19.53,65.96 19.62,65.98 19.7,66.01 19.78,66.04 19.86,66.08 19.93,66.13 20,66.18 20.06,66.24 20.12,66.3 20.17,66.37 20.22,66.45 20.25,66.52 20.29,66.6 20.31,66.69 20.32,66.77 20.33,66.86 20.33,66.95 20.32,67.03 20.31,67.12 20.29,67.2 20.25,67.28 20.22,67.36 20.17,67.44 20.12,67.51 20.06,67.57 20,67.63 19.93,67.68 19.86,67.73 19.78,67.77 19.7,67.8 19.62,67.83 19.53,67.84 19.45,67.85 19.36,67.86 19.27,67.85 19.19,67.84 19.1,67.82 19.02,67.79 18.94,67.75 18.87,67.71 18.8,67.66 18.73,67.6 18.67,67.54 18.61,67.47 18.57,67.4 18.52,67.32 18.49,67.24 18.46,67.16 18.44,67.08 18.43,66.99 18.43,66.9 17.56,66.9 17.56,66.93 17.54,66.96 17.52,66.98 17.49,67 17.45,67 17.44,67 15.94,67 15.92,67 15.89,67 15.86,66.98 15.84,66.96 15.82,66.93 15.81,66.89 15.81,66.88 13.16,66.88 13.16,67.5 13.18,67.5 13.18,67.57 14.11,67.57 14.11,68.16 14.13,68.18 14.14,68.2 14.17,68.22 14.35,68.22 14.38,68.25 14.38,68.43 14.4,68.46 14.42,68.48 14.44,68.49 15.03,68.49 15.03,69.13 16.25,69.13 16.25,68.08 16.25,68.06 16.26,68.03 16.27,68 16.3,67.98 16.33,67.96 16.36,67.95 16.38,67.95 17.46,67.95 17.47,67.95 17.51,67.96 17.53,67.98 17.56,68 17.57,68.03 17.58,68.06 17.58,68.08 17.58,69.13 17.58,69.15 17.57,69.18 17.56,69.21 17.53,69.23 17.51,69.25 17.47,69.26 17.46,69.26 16.38,69.26 16.36,69.26 16.33,69.25 16.3,69.23 16.27,69.21 16.26,69.18 16.25,69.15 16.25,69.13 15.03,69.13 15.03,69.42 15.1,69.42 15.1,69.44 17.81,69.44 17.96,69.6 17.96,70.03 18.09,70.03 18.12,70.01 18.17,69.98 18.21,69.96 18.26,69.95 18.31,69.94 18.37,69.94 18.42,69.95 18.48,69.96 18.53,69.99 18.58,70.02 18.62,70.06 18.66,70.1 18.69,70.14 18.71,70.2 18.73,70.25 18.73,70.31 18.73,70.36 18.73,70.42 18.71,70.47 19.38,70.47 19.38,69.07 19.38,69.06 19.39,69.02 19.4,69 19.43,68.97 19.46,68.96 19.49,68.95 19.51,68.95 20.61,68.95 20.62,68.95 20.65,68.96 20.68,68.97 20.71,69 20.72,69.02 20.73,69.06 20.73,69.07 20.73,70.47 20.73,70.49 20.72,70.52 20.71,70.55 20.68,70.58 20.65,70.59 20.62,70.6 20.61,70.6 19.51,70.6 19.49,70.6 19.46,70.59 19.43,70.58 19.4,70.55 19.39,70.52 19.38,70.49 19.38,70.47 18.71,70.47 18.69,70.52 18.66,70.57 18.62,70.61 18.58,70.65 18.53,70.68 18.48,70.7 18.42,70.72 18.37,70.73 18.31,70.73 18.26,70.72 18.21,70.71 18.17,70.69 18.12,70.66 18.09,70.64 17.96,70.64 17.96,70.94 18.03,71.01 20.37,71.01 20.4,71 20.45,71 20.5,71 20.55,71.01 20.59,71.02 20.83,71.02
VP5V5 on TOP (solid shape): 10.55,69.42 10.62,69.42 10.62,68.49 11.21,68.49 11.24,68.48 11.26,68.46 11.27,68.43 11.28,68.3 11.35,68.22 11.49,68.22 11.51,68.2 11.53,68.18 11.54,68.16 11.55,67.57 12.47,67.57 12.47,67.5 12.5,67.5 12.5,65.41 12.42,65.33 9.92,65.33 9.91,65.33 9.88,65.34 9.86,65.35 9.84,65.38 9.83,65.4 9.82,65.43 9.83,65.46 9.84,65.53 9.84,66.62 10.89,66.62 10.89,65.57 10.89,65.55 10.9,65.52 10.92,65.49 10.94,65.47 10.97,65.45 11,65.44 11.02,65.44 12.1,65.44 12.11,65.44 12.15,65.45 12.17,65.47 12.2,65.49 12.22,65.52 12.22,65.55 12.22,65.57 12.22,66.62 12.22,66.63 12.22,66.67 12.2,66.7 12.18,66.72 12.15,66.74 12.11,66.74 12.1,66.74 11.02,66.74 11,66.74 10.97,66.74 10.94,66.72 10.92,66.7 10.9,66.67 10.89,66.63 10.89,66.62 9.84,66.62 9.84,66.83 9.84,66.84 9.83,66.88 9.82,66.9 9.79,66.93 9.77,66.94 9.73,66.95 9.72,66.95 8.22,66.95 8.2,66.95 8.17,66.94 8.14,66.93 8.11,66.9 8.1,66.88 8.09,66.84 8.09,66.83 8.09,65.53 8.11,65.46 8.11,65.43 8.11,65.4 8.09,65.38 8.08,65.35 8.05,65.34 8.02,65.33 8.01,65.33 4.6,65.33 4.55,65.38 4.55,69.39 4.6,69.44 10.55,69.44
VP5V5 on TOP (solid shape): 42,51.49 42.07,51.49 42.07,50.56 42.66,50.56 42.68,50.54 42.7,50.52 42.72,50.5 42.72,50.37 42.8,50.29 42.93,50.28 42.95,50.27 42.97,50.25 42.99,50.23 42.99,49.64 43.92,49.64 43.92,49.57 43.94,49.57 43.94,47.47 43.87,47.4 41.37,47.4 41.35,47.4 41.33,47.41 41.3,47.42 41.28,47.44 41.27,47.47 41.27,47.5 41.27,47.53 41.29,47.59 41.29,48.68 42.33,48.68 42.33,47.63 42.34,47.62 42.34,47.59 42.36,47.56 42.38,47.53 42.41,47.52 42.45,47.51 42.46,47.51 43.54,47.51 43.56,47.51 43.59,47.52 43.62,47.53 43.64,47.56 43.66,47.59 43.67,47.62 43.67,47.63 43.67,48.68 43.67,48.7 43.66,48.73 43.64,48.76 43.62,48.79 43.59,48.8 43.56,48.81 43.54,48.81 42.46,48.81 42.45,48.81 42.41,48.8 42.38,48.79 42.36,48.76 42.34,48.73 42.34,48.7 42.33,48.68 41.29,48.68 41.29,48.89 41.29,48.91 41.28,48.94 41.26,48.97 41.24,49 41.21,49.01 41.18,49.02 41.16,49.02 39.66,49.02 39.64,49.02 39.61,49.01 39.58,49 39.56,48.97 39.54,48.94 39.53,48.91 39.53,48.89 39.53,47.59 39.55,47.53 39.56,47.5 39.55,47.47 39.54,47.44 39.52,47.42 39.5,47.41 39.47,47.4 39.45,47.4 36.04,47.4 35.99,47.45 35.99,51.46 36.04,51.51 42,51.51
VP5V5 on TOP: 21.44,37.9 21.44,53.59 21.64,53.8 27.69,53.8 27.91,53.57 27.91,37.87 27.71,37.67 21.67,37.67
VP5V5 on TOP: 35.99,84.38 42.62,84.38 42.67,84.33 42.67,83.24 42.75,83.16 43.87,83.16 43.89,83.13 43.89,80.34 43.81,80.26 35.99,80.26 35.94,80.31 35.94,84.33
VP5V5 on TOP: 36.02,69.52 42.65,69.52 42.7,69.47 42.7,68.38 42.77,68.3 43.89,68.3 43.92,68.28 43.92,65.48 43.84,65.41 36.02,65.41 35.97,65.46 35.97,69.47
VP5V5 on PWR1: 1.68,88.32 44.04,88.32 44.55,87.81 44.55,37.59 43.95,36.99 23.49,36.99 22.49,37.99 22.49,53.45 22.48,53.47 22.48,54.81 21.79,55.5 1.37,55.5 1.22,55.65 1.22,87.86
VP12V on TOP: 30.73,33.15 41.43,33.15 42.06,32.51 42.06,27.41 30.73,27.41
VP12V on TOP: 12.09,49.05 12.09,47.09 12.04,47.04 10.72,47.04 10.67,47.09 10.67,49.1 10.03,49.73 10.03,52.93 10.26,53.16 12.47,53.16 12.7,52.93 12.7,49.66
VP12V on TOP: 10.67,42.09 10.67,44.04 10.72,44.09 12.04,44.09 12.09,44.04 12.09,42.04 12.73,41.4 12.73,38.2 12.5,37.97 10.29,37.97 10.06,38.2 10.06,41.48
VP12V on PWR1: 3.5,53.99 19.99,53.99 21.49,52.49 21.49,37.99 22.99,36.49 43.98,36.49 44.53,35.94 44.53,25.48 44.04,24.99 3,24.99 2,25.99 2,52.49
N140138 on TOP: 14.1,44.68 14.1,46.96 14.17,47.04 15.24,47.04 15.47,47.27 15.47,47.96 15.57,48.06 18.57,48.06 18.75,47.88 18.75,43.13 18.62,43 15.6,43 15.49,43.1 15.49,44.32 15.21,44.6 14.17,44.6
N146225 on TOP: 49.45,71.09 52.25,71.09 52.35,70.99 52.35,65.53 52.22,65.41 44.65,65.41 44.58,65.48 44.58,68.28 44.6,68.3 45.77,68.3 45.8,68.33 45.8,69.49 45.82,69.52 49.23,69.52 49.38,69.67 49.38,71.02
